# KiCad board FPGA_DevBoard.kicad_pcb (continued)
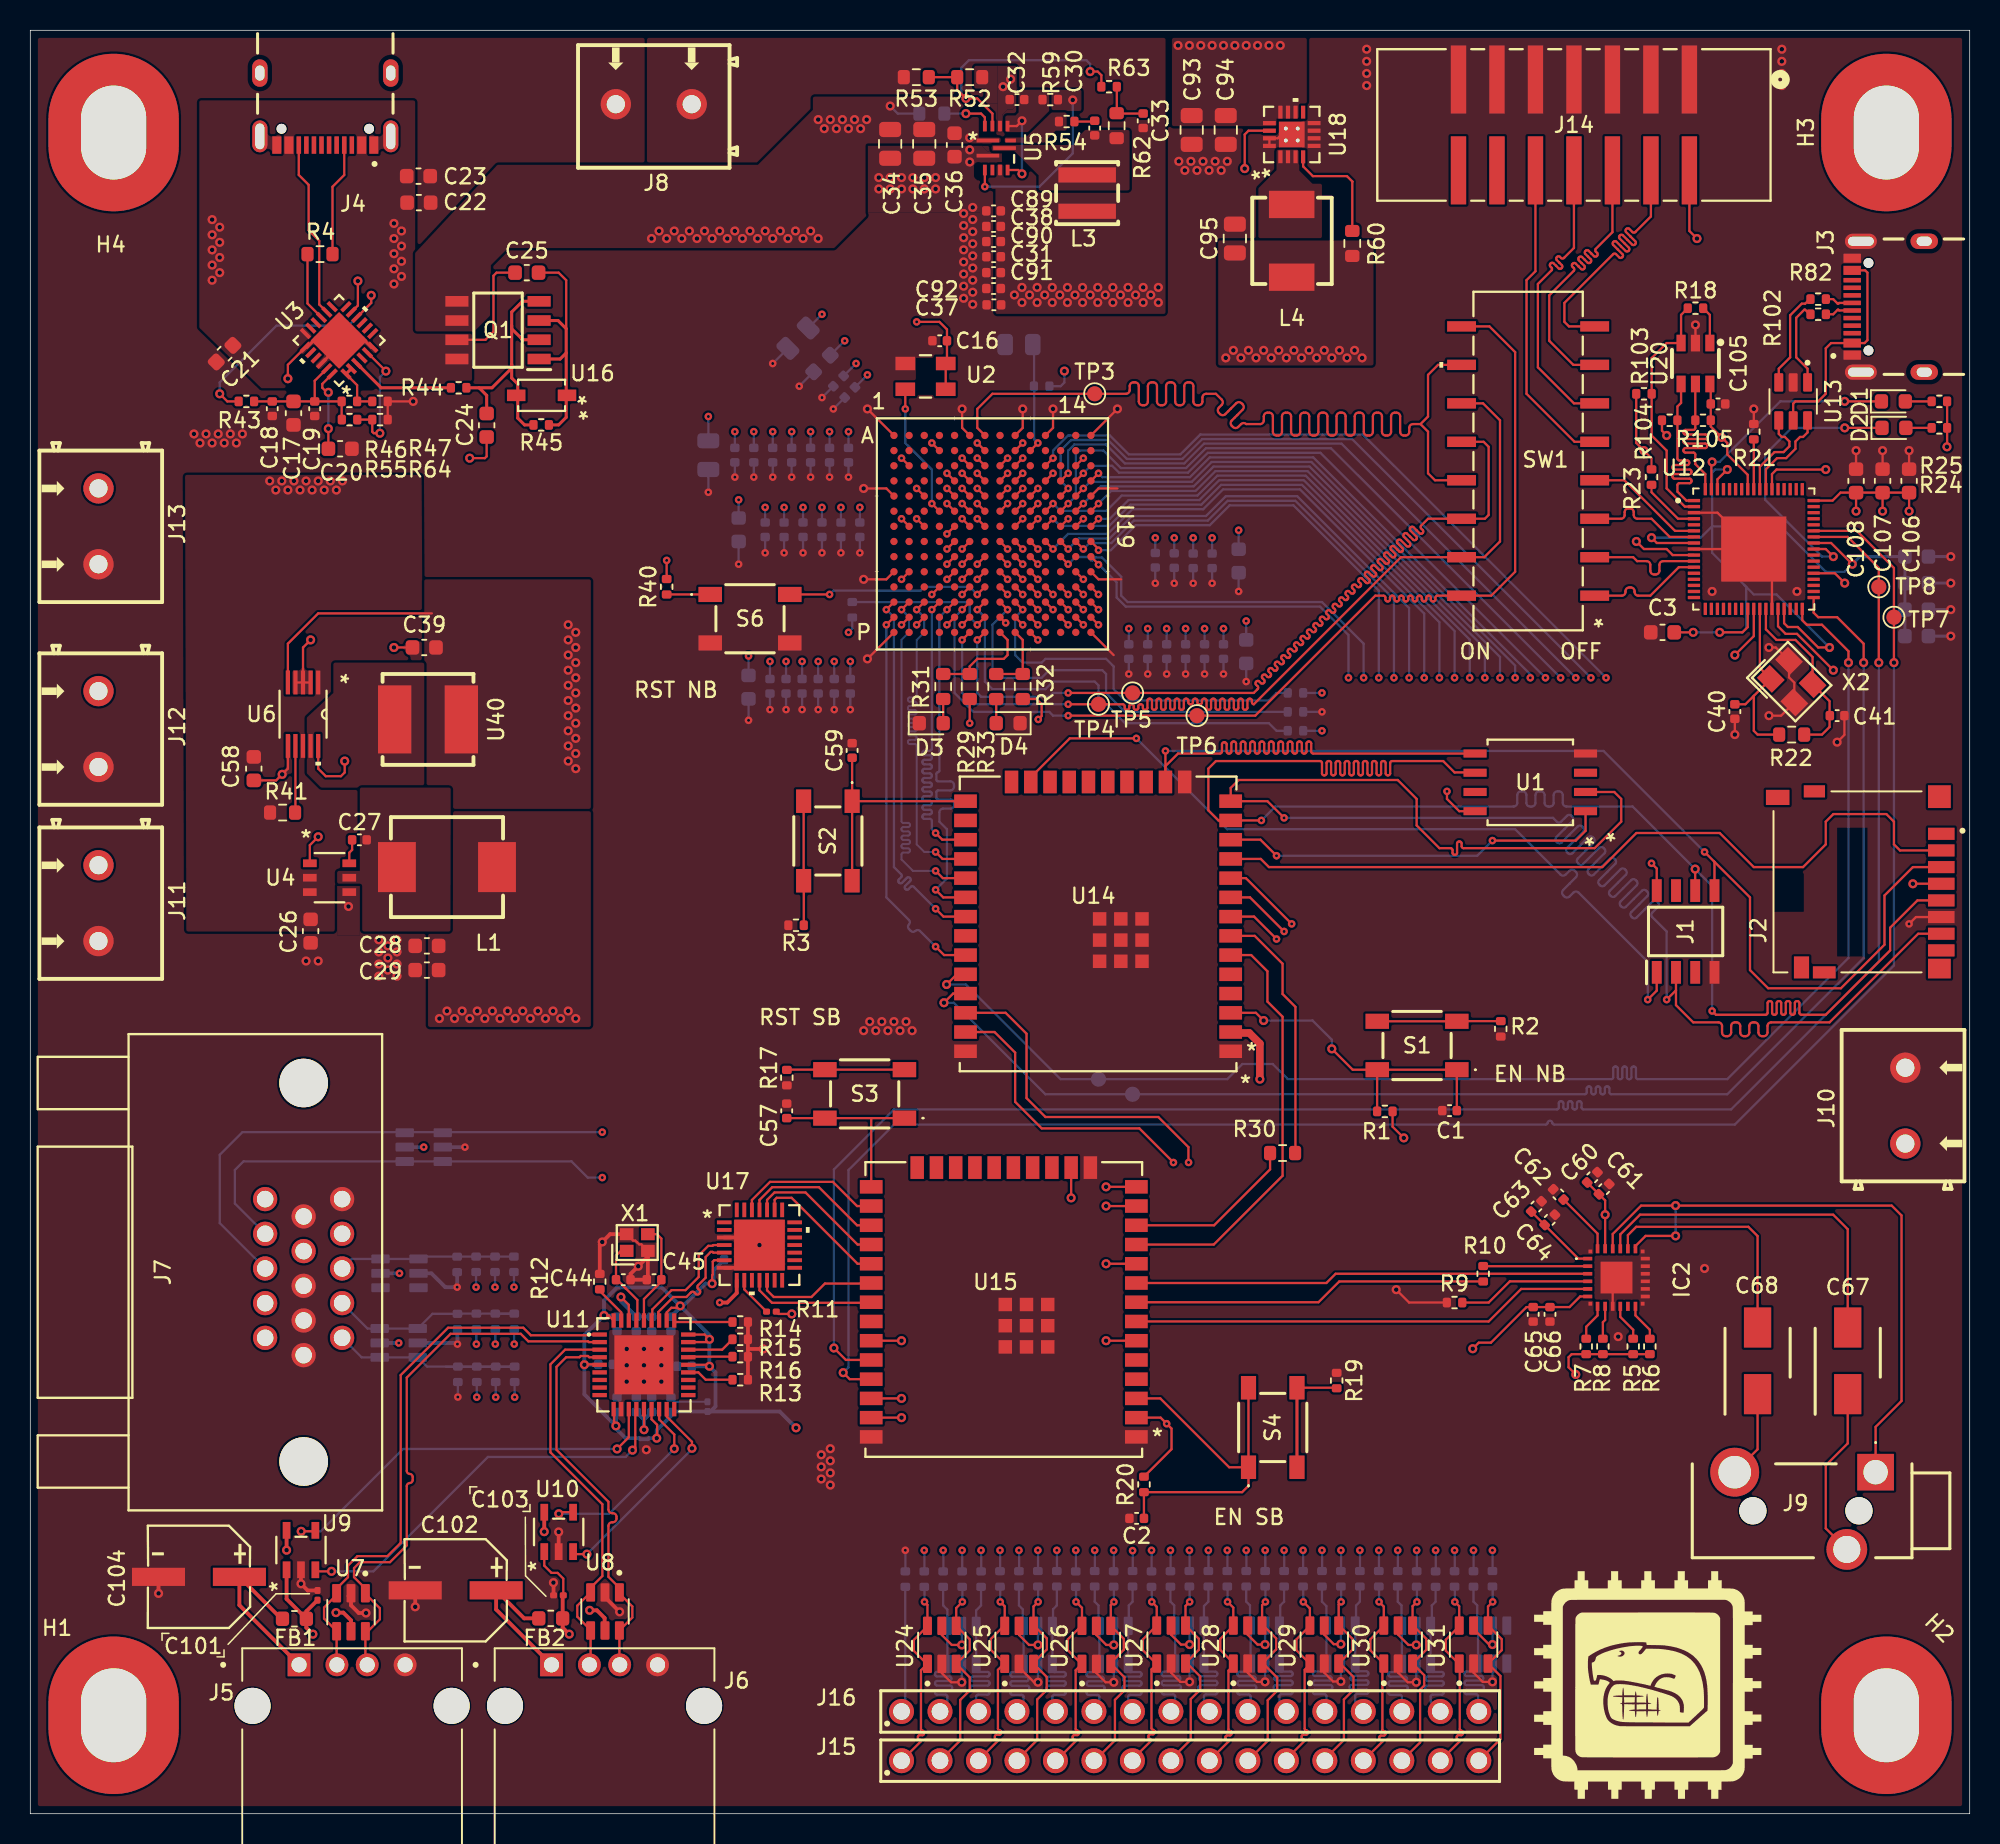
[diagram p0: board, top side]
## Routing (per net, layer and track width the routed paths; a pad name or vN(x,y) marks a point on that pad's centre or on a via; arc(x,y) is an arc through that point) (continued)
R2: length 98.9
  Top signal w0.15: U19.L12 v1(68.5,80.5)
  Top PWR w0.15: v1(68.5,80.5) 69.02,79.98 70.7,79.98 71.5,79.17 71.5,75.5 71.66,75.34 71.66,71.67 72.69,70.63 72.69,69.22 arc(72.74,69.11) 72.85,69.06 72.93,69.06 arc(73.04,69.02) 73.09,68.9 73.09,68.82 arc(73.04,68.71) 72.93,68.66 72.45,68.66 arc(72.34,68.62) 72.29,68.5 72.29,68.42 arc(72.34,68.31) 72.45,68.26 72.93,68.26 arc(73.04,68.22) 73.09,68.1 73.09,68.02 arc(73.04,67.91) 72.93,67.86 72.45,67.86 arc(72.34,67.82) 72.29,67.7 72.29,67.62 arc(72.34,67.51) 72.45,67.46 72.93,67.46 arc(73.04,67.42) 73.09,67.3 73.09,67.22 arc(73.04,67.11) 72.93,67.06 72.45,67.06 arc(72.34,67.02) 72.29,66.9 72.29,66.82 arc(72.34,66.71) 72.45,66.66 72.93,66.66 arc(73.04,66.62) 73.09,66.5 73.09,66.42 arc(73.04,66.31) 72.93,66.26 72.45,66.26 arc(72.34,66.22) 72.29,66.1 72.29,66.02 arc(72.34,65.91) 72.45,65.86 72.93,65.86 arc(73.04,65.82) 73.09,65.7 73.09,65.62 arc(73.04,65.51) 72.93,65.46 72.45,65.46 arc(72.34,65.42) 72.29,65.3 72.29,65.22 arc(72.34,65.11) 72.45,65.06 72.93,65.06 arc(73.04,65.02) 73.09,64.9 73.09,64.82 arc(73.04,64.71) 72.93,64.66 72.45,64.66 arc(72.34,64.62) 72.29,64.5 72.29,64.42 arc(72.34,64.31) 72.45,64.26 72.93,64.26 arc(73.04,64.22) 73.09,64.1 73.09,64.02 arc(73.04,63.91) 72.93,63.86 72.45,63.86 arc(72.34,63.82) 72.29,63.7 72.29,63.62 arc(72.34,63.51) 72.45,63.46 72.53,63.46 arc(72.65,63.42) 72.69,63.3 72.69,49.87 63.82,41 37.33,41 35.94,39.61 35.94,31.48 v1(31.97,27.5)
  Bottom signal w0.15: R57.1 v1(31.97,27.5)
SB_USB_CTS/: length 8.9
  Top signal w0.15: U15.29 54.6,36.31 50.25,40.66 49.26,40.66 49.13,40.53 U17.23
SB_USB_RTS/: length 9.2
  Top signal w0.15: U15.28 54.6,37.58 51.16,41.02 49.11,41.02 48.62,40.53 U17.24
SB_USB_RXD: length 9.4
  Top signal w0.15: U17.25 48.12,40.52 48.97,41.37 52.05,41.37 54.57,38.85 U15.27
SB_USB_TXD: length 9.7
  Top signal w0.15: U15.26 54.57,40.12 52.97,41.72 48.82,41.72 47.63,40.52 U17.26
SB_USB_UART_SUSPEND: length 8.1
  Top signal w0.15: U15.30 55.46,35 52.44,35 51.55,34.11 49.07,34.11 48.62,34.56 U17.12
SB_USB_UART_SUSPEND/: length 8.4
  Top signal w0.15: U17.11 48.12,34.56 48.95,33.73 55.46,33.73 U15.31
SBRXD: length 123
  Top signal w0.15: v2(53.04,30.75) 53.83,29.96 U15.34 ; U12.45 119.95,84.3 122,82.25 v2(122,76)
  Bottom signal w0.15: v2(53.04,30.75) 53.04,42.54 57,46.5 100.76,46.5 arc(100.85,46.54) 100.88,46.62 100.88,46.92 arc(100.92,47.01) 101,47.04 101.06,47.04 arc(101.15,47.01) 101.18,46.92 101.18,46.62 arc(101.22,46.54) 101.3,46.5 101.36,46.5 arc(101.45,46.54) 101.48,46.62 101.48,46.92 arc(101.52,47.01) 101.6,47.04 101.66,47.04 arc(101.75,47.01) 101.78,46.92 101.78,46.62 arc(101.82,46.54) 101.9,46.5 101.96,46.5 arc(102.05,46.54) 102.08,46.62 102.08,46.92 arc(102.12,47.01) 102.2,47.04 102.26,47.04 arc(102.35,47.01) 102.38,46.92 102.38,46.62 arc(102.42,46.54) 102.5,46.5 112.25,46.5 122,56.25 v2(122,76)
SBTXD: length 123
  Top signal w0.15: v2(53.65,29.12) 54.08,28.69 U15.35 ; v2(123,76) 123,82.25 120.55,84.7 U12.46
  Bottom signal w0.15: v2(123,76) 123,56 112.5,45.5 100.57,45.5 arc(100.48,45.54) 100.45,45.62 100.45,45.62 arc(100.41,45.71) 100.33,45.74 100.27,45.74 arc(100.18,45.71) 100.15,45.62 100.15,45.62 arc(100.11,45.54) 100.03,45.5 57,45.5 54,42.5 54,29.47 v2(53.65,29.12)
VSPI_CLK: length 26
  Top signal w0.15: U14.29 60.23,61.77 v1(59.75,62.25) ; U19.M2 v1(57.5,79.5)
  Bottom signal w0.13: 58,79 58,78 57.5,77.5 57.5,65.53 arc(57.53,65.45) 57.61,65.42 57.94,65.42 arc(58.02,65.39) 58.05,65.31 58.05,65.25 arc(58.02,65.17) 57.94,65.14 57.61,65.14 arc(57.53,65.11) 57.5,65.03 57.5,64.97 arc(57.53,64.89) 57.61,64.86 57.94,64.86 arc(58.02,64.83) 58.05,64.75 58.05,64.69 arc(58.02,64.61) 57.94,64.58 57.61,64.58 arc(57.53,64.55) 57.5,64.47 57.5,64.41 arc(57.53,64.33) 57.61,64.3 57.94,64.3 arc(58.02,64.27) 58.05,64.19 58.05,64.13 arc(58.02,64.05) 57.94,64.02 57.61,64.02 arc(57.53,63.99) 57.5,63.91 57.5,63.85 arc(57.53,63.77) 57.61,63.74 57.94,63.74 arc(58.02,63.71) 58.05,63.63 58.05,63.57 arc(58.02,63.49) 57.94,63.46 57.61,63.46 arc(57.53,63.43) 57.5,63.35 57.5,63 58.25,62.25 v1(59.75,62.25)
  Bottom signal w0.15: 58,79 v1(57.5,79.5)
VSPI_CS: length 26.1
  Top signal w0.15: U14.30 60.25,60.5 v1(59.75,61) ; U19.M5 v1(60.5,79.5)
  Bottom signal w0.15: v1(60.5,79.5) 60,79 60,68.86 arc(59.97,68.79) 59.9,68.76 arc(59.83,68.73) 59.8,68.66 59.8,68.26 arc(59.83,68.19) 59.9,68.16 60.72,68.16 arc(60.89,68.09) 60.96,67.92 60.96,67.8 arc(60.89,67.63) 60.72,67.56 59.9,67.56 arc(59.83,67.53) 59.8,67.46 59.8,67.06 arc(59.83,66.99) 59.9,66.96 60.74,66.96 arc(60.91,66.89) 60.98,66.72 60.98,66.6 arc(60.91,66.43) 60.74,66.36 60.24,66.36 arc(60.07,66.29) 60,66.12 60,65.5 60.5,65 60.5,61.75 v1(59.75,61)
VSPI_D0: length 26
  Top signal w0.15: U19.M3 v1(58.5,79.5) ; v1(59.75,63.5) 60.21,63.04 U14.28
  Bottom signal w0.13: 59,79 59,78 58.5,77.5 58.5,73.82 arc(58.47,73.74) 58.39,73.7 58.04,73.7 arc(57.96,73.67) 57.92,73.59 57.92,73.54 arc(57.96,73.46) 58.04,73.42 58.39,73.42 arc(58.47,73.39) 58.5,73.31 58.5,73.26 arc(58.47,73.18) 58.39,73.14 58.04,73.14 arc(57.96,73.11) 57.92,73.03 57.92,72.98 arc(57.96,72.9) 58.04,72.86 58.39,72.86 arc(58.47,72.83) 58.5,72.75 58.5,72.7 arc(58.47,72.62) 58.39,72.58 58.04,72.58 arc(57.96,72.55) 57.92,72.47 57.92,72.42 arc(57.96,72.34) 58.04,72.3 58.39,72.3 arc(58.47,72.27) 58.5,72.19 58.5,72.14 arc(58.47,72.06) 58.39,72.02 58.04,72.02 arc(57.96,71.99) 57.92,71.91 57.92,71.86 arc(57.96,71.78) 58.04,71.74 58.39,71.74 arc(58.47,71.71) 58.5,71.63 58.5,71.58 arc(58.47,71.5) 58.39,71.46 58.04,71.46 arc(57.96,71.43) 57.92,71.35 57.92,71.3 arc(57.96,71.22) 58.04,71.18 58.39,71.18 arc(58.47,71.15) 58.5,71.07 58.5,71.02 arc(58.47,70.94) 58.39,70.9 58.04,70.9 arc(57.96,70.87) 57.92,70.79 57.92,70.74 arc(57.96,70.66) 58.04,70.62 58.39,70.62 arc(58.47,70.59) 58.5,70.51 58.5,64 59,63.5 v1(59.75,63.5)
  Bottom signal w0.15: 59,79 v1(58.5,79.5)
VSPI_D1: length 26
  Top signal w0.15: v1(59.75,59.75) 60.27,59.23 U14.31 ; U19.M1 v1(56.5,79.5)
  Bottom signal w0.15: v1(59.75,59.75) 58.29,61.21 arc(58.21,61.24) 58.12,61.21 57.95,61.03 arc(57.86,61) 57.78,61.03 57.74,61.08 arc(57.7,61.16) 57.74,61.25 58.08,61.59 arc(58.11,61.67) 58.08,61.75 58.03,61.8 arc(57.95,61.83) 57.87,61.8 57.53,61.46 arc(57.44,61.42) 57.36,61.46 57.31,61.5 arc(57.28,61.59) 57.31,61.67 57.49,61.84 arc(57.52,61.93) 57.49,62.01 57,62.5 57,79 v1(56.5,79.5)
VSPI_D2: length 26
  Top signal w0.15: U19.N1 v1(56.5,78.5) ; U14.33 60.31,56.69 v1(59.75,57.25)
  Bottom signal w0.15: v1(56.5,78.5) 56.5,60.5 57.99,59.01 arc(58.05,58.86) 57.99,58.71 arc(57.93,58.56) 57.99,58.41 58.12,58.29 arc(58.27,58.22) 58.42,58.29 arc(58.56,58.35) 58.71,58.29 v1(59.75,57.25)
VSPI_D3: length 26
  Top signal w0.15: U14.27 60.19,64.31 v1(59.75,64.75) ; U19.M4 v1(59.5,79.5)
  Bottom signal w0.15: v1(59.5,79.5) 59.5,70.3 arc(59.46,70.22) 59.38,70.18 59,70.18 arc(58.91,70.15) 58.88,70.06 58.88,70 arc(58.91,69.92) 59,69.88 59.38,69.88 arc(59.46,69.85) 59.5,69.76 59.5,69.7 arc(59.46,69.62) 59.38,69.58 59,69.58 arc(58.91,69.55) 58.88,69.46 58.88,69.4 arc(58.91,69.32) 59,69.28 59.38,69.28 arc(59.46,69.25) 59.5,69.16 59.5,69.1 arc(59.46,69.02) 59.38,68.98 59,68.98 arc(58.91,68.95) 58.88,68.86 58.88,68.8 arc(58.91,68.72) 59,68.68 59.38,68.68 arc(59.46,68.65) 59.5,68.56 59.5,68.5 arc(59.46,68.42) 59.38,68.38 59,68.38 arc(58.91,68.35) 58.88,68.26 58.88,68.2 arc(58.91,68.12) 59,68.08 59.38,68.08 arc(59.46,68.05) 59.5,67.96 59.5,67.9 arc(59.46,67.82) 59.38,67.78 59,67.78 arc(58.91,67.75) 58.88,67.66 58.88,67.6 arc(58.91,67.52) 59,67.48 59.38,67.48 arc(59.46,67.45) 59.5,67.36 59.5,67.3 arc(59.46,67.22) 59.38,67.18 59,67.18 arc(58.91,67.15) 58.88,67.06 58.88,67 arc(58.91,66.92) 59,66.88 59.38,66.88 arc(59.46,66.85) 59.5,66.76 59.5,66.7 arc(59.46,66.62) 59.38,66.58 59,66.58 arc(58.91,66.55) 58.88,66.46 58.88,66.4 arc(58.91,66.32) 59,66.28 59.38,66.28 arc(59.46,66.25) 59.5,66.16 59.5,66.1 arc(59.46,66.02) 59.38,65.98 59,65.98 arc(58.91,65.95) 58.88,65.86 58.88,65.8 arc(58.91,65.72) 59,65.68 59.38,65.68 arc(59.46,65.65) 59.5,65.56 59.5,65 v1(59.75,64.75)
Net-(C30-Pad1): length 1.4
  Top signal w0.15: R54.2 70.2,111.72 C30.1
Net-(C33-Pad2): length 3.5
  Top signal w0.15: R63.2 71.71,112.53 71.7,112.53 R62.2 71.72,112.25 73.45,112.25
Net-(C67-+): length 11.4
  Top signal w0.15: C67.1 119.95,24.45 118.5,23 118.5,18.84 J9.5
Net-(C68-+): length 5.8
  Top signal w0.15: C68.1 114,24.06 J9.2
Net-(D1-A): length 1.7
  Top signal w0.15: D1.2 R25.2
Net-(D1-K): length 14.7
  Top signal w0.15: v2(111,89.25) 110.95,89.2 U12.67 ; v2(119.75,93.25) D1.1
  Bottom signal w0.15: v2(119.75,93.25) 115.5,93.25 111.5,89.25 v2(111,89.25)
Net-(D2-A): length 1.7
  Top signal w0.15: D2.2 R24.2
Net-(D2-K): length 19
  Top signal w0.15: U12.43 118.5,83.5 v2(119,83) ; v2(119.75,91.5) D2.1
  Bottom signal w0.15: v2(119,83) 118.25,83 114.5,86.75 114.5,89.75 116.25,91.5 v2(119.75,91.5)
Net-(D3-A): length 1.6
  Top signal w0.15: D3.2 R31.2
Net-(D4-A): length 1.6
  Top signal w0.15: D4.2 R33.2
Net-(IC2-DREG): length 5
  Top signal w0.15: C63.1 C64.1 102.17,36.65 IC2.1
Net-(IC2-MD1): length 2.5
  Top signal w0.15: R7.2 102.69,32.15 103.44,32.9 IC2.7
Net-(IC2-MD2): length 2.2
  Top signal w0.15: IC2.8 103.94,32.6 103.79,32.45 R8.2
Net-(IC2-MD4): length 2.5
  Top signal w0.15: R5.2 105.79,31.95 104.94,32.8 IC2.10
Net-(IC2-MD5): length 2.5
  Top signal w0.15: R6.2 106.89,31.95 105.94,32.9 IC2.12
Net-(IC2-MD6): length 8.9
  Top signal w0.15: R9.2 96.25,33.75 97.65,35.15 IC2.4
Net-(IC2-VREF): length 4.2
  Top signal w0.15: C62.1 103.44,38.3 IC2.24
Net-(J16-Pad1): length 8.3
  Bottom signal w0.15: R86.2 57.75,7 J16.1
Net-(Q1-G1): length 18.4
  Top signal w0.2: 31.77,95.7 31.77,95.45 30.47,94.15 29.62,94.15 ; 31.77,95.7 31.77,98.25 ; 31.77,95.7 31.77,94.8 32.17,94.4 32.17,92.15 32.62,91.7 33.11,91.7 ; 29.62,94.15 R44.1 ; 29.62,94.15 30.12,93.65 C24.2 ; 31.77,98.25 31.77,99.15 32.48,99.86 33.57,99.86 ; 31.77,98.25 31.77,98.05 32.5,97.32 33.57,97.32
Net-(Q1-S1): length 16.5
  Top signal w0.15: C25.2 34.87,101.75 35.37,101.25 35.37,98.05
  Top signal w0.2: 33.57,96.05 34.97,96.05 35.37,96.45 ; 33.57,98.59 34.83,98.59 35.37,98.05 35.37,96.45 ; 35.37,96.45 35.37,92.2 34.87,91.7 34.13,91.7
Net-(S1-COM_1): length 8.2
  Top signal w0.15: S1.4 S1.3 94.16,52.33 R2.2
Net-(S2-COM_1): length 8.2
  Top signal w0.15: S2.3 S2.4 51.05,61.59 R3.1
Net-(S3-COM_1): length 7.8
  Top signal w0.15: 49.92,49.13 S3.4 S3.3
Net-(S4-COM_1): length 7.9
  Top signal w0.15: 86.24,28.12 S4.4
  Top signal w0.2: S4.4 83.6,22.87
Net-(S6-NO_1): length 2.9
  Top signal w0.15: S6.1 R40.2
Net-(S6-NO_2): length 13.5
  Top signal w0.15: v1(52.75,80.5) S6.2 ; U19.L7 v1(62.5,80.5)
  Bottom signal w0.15: v1(52.75,80.5) 53,80.75 58.75,80.75 59,81 62,81 v1(62.5,80.5)
Net-(U3-CC1): length 4.6
  Top signal w0.15: 18.3,102.97 18.3,99.72 U3.15
Net-(U3-FLIP): length 16.7
  Top signal w0.15: U3.10 22.5,99.75 v2(22.5,100.25) ; v2(12.5,93.75) 13,93.25 R43.2
  Bottom signal w0.15: v2(22.5,100.25) 22.5,99.75 21,98.25 16.25,98.25 12.5,94.5 v2(12.5,93.75)
Net-(U3-VBUS_FET_EN): length 6.9
  Top signal w0.2: R44.2 23.16,94.15 U3.3
Net-(U3-VCCD): length 5.3
  Top signal w0.15: v2(19.67,93.85) 19.57,93.85 19.27,94.15 19.27,94.4 U3.24 ; v2(19.67,91.45) 19.67,90.25
  Bottom signal w0.15: v2(19.67,91.45) v2(19.67,93.85)
Net-(U4-BST): length 1.6
  Top signal w0.15: U4.6 21.05,63.45 21.24,63.64 C27.1
Net-(U5-EN): length 3.4
  Top signal w0.15: 63,111.42 63,112 62.75,112.25 v2(61.75,112.25)
  Bottom signal w0.15: R51.1 v2(61.75,112.25)
Net-(U5-FB): length 19.6
  Top signal w0.15: 63.5,111.42 63.5,112.25 62.5,113.25 v2(61.75,113.25) 61.17,113.83 R52.2 ; 61.22,114.66 R53.1 ; v2(69.95,115.03) 70.45,115.03 70.69,114.78 R63.1
  Bottom signal w0.15: v2(61.75,113.25) 61.45,113.55 61.45,115.28 61.95,115.78 69.7,115.78 69.95,115.53 v2(69.95,115.03)
Net-(U5-MODE): length 5.6
  Top signal w0.15: U5.6 65.2,108.53 v2(65.45,108.28) ; v2(65.45,111.78) 65.1,111.42 64.5,111.42
  Bottom signal w0.15: v2(65.45,111.78) v2(65.45,108.28)
Net-(U5-PG): length 11.3
  Top signal w0.15: v1(63,107.42) U5.3
  Bottom signal w0.15: v1(63,107.42) 66.6,107.42 68.8,109.62 v2(68.8,113.15)
Net-(U12-EECLK): length 14.5
  Top signal w0.15: U20.4 108.95,93.15 108.71,92.91 R104.2 108.71,89.47 arc(108.75,89.38) 108.83,89.35 109.37,89.35 arc(109.45,89.31) 109.49,89.23 109.49,89.17 arc(109.45,89.08) 109.37,89.05 108.5,89.05 arc(108.42,89.01) 108.38,88.93 108.38,88.87 arc(108.42,88.78) 108.5,88.75 109.52,88.75 arc(109.6,88.71) 109.64,88.63 109.64,88.57 arc(109.6,88.48) 109.52,88.45 108.5,88.45 arc(108.42,88.41) 108.38,88.33 108.38,88.27 arc(108.42,88.18) 108.5,88.15 109.52,88.15 arc(109.6,88.11) 109.64,88.03 109.64,87.97 arc(109.6,87.88) 109.52,87.85 108.83,87.85 arc(108.75,87.81) 108.71,87.73 108.71,87.29 109.3,86.7 U12.1
Net-(U12-EECS): length 14.4
  Top signal w0.15: U12.68 110.55,88.45 109.89,89.11 109.89,89.75 arc(109.85,89.83) 109.77,89.87 109.23,89.87 arc(109.15,89.9) 109.11,89.99 109.11,90.05 arc(109.15,90.13) 109.23,90.17 110.55,90.17 arc(110.63,90.2) 110.67,90.29 110.67,90.35 arc(110.63,90.43) 110.55,90.47 109.23,90.47 arc(109.15,90.5) 109.11,90.59 109.11,90.65 arc(109.15,90.73) 109.23,90.77 110.55,90.77 arc(110.63,90.8) 110.67,90.89 110.67,90.95 arc(110.63,91.03) 110.55,91.07 109.23,91.07 arc(109.15,91.1) 109.11,91.19 109.11,91.25 arc(109.15,91.33) 109.23,91.37 109.77,91.37 arc(109.85,91.4) 109.89,91.49 R105.2 109.89,94.39 U20.5
Net-(U12-EEDATA): length 16.2
  Top signal w0.15: R18.1 108.95,98.96 U20.3 108,97.1 107.01,96.11 R103.2 107.01,91.01 107,91 108,90 108,87.5 109.2,86.3 U12.2
Net-(U12-REF): length 3.3
  Top signal w0.15: U12.60 R21.1
Net-(U12-~{RESET}): length 4
  Top signal w0.13: R23.1 107,87.25
  Top signal w0.15: U12.4 108.75,85.5 107,87.25
Net-(U15-IO27): length 11.7
  Top signal w0.15: 81.83,43.87 81.83,42.55 78.13,38.85 U15.12
Net-(U15-IO32): length 23.5
  Top signal w0.15: U15.8 85.02,33.77 86.39,35.14 R10.2
Net-(U17-*RST): length 2.7
  Top signal w0.15: U17.9 47.12,34.62 R11.1
Net-(U18-PG): length 7.6
  Top signal w0.15: R60.2 87.25,107.75 87.26,107.76 86.9,108.12 84.65,108.12 84.01,108.76 U18.4
Net-(U19B-CFGBVS_0): length 10
  Top signal w0.15: U19.N7 v1(62.5,78.5)
  Bottom signal w0.15: R39.1 61.75,80 62,79.75 62,79 v1(62.5,78.5)
Net-(U19B-DONE_0): length 4.7
  Top signal w0.15: U19.P9 65.5,77.5 R32.2 R33.1
Net-(U19B-INIT_B_0): length 6.8
  Top signal w0.15: R31.1 R29.2 62,75.75 62.5,76.25 64.25,76.25 64.5,76.5 64.5,77.5 U19.P8
Net-(U19B-IO_L3P_T0_DQS_PUDC_B_14): length 7.3
  Top signal w0.15: U19.B10 v1(66.5,90.5)
  Bottom signal w0.15: v1(66.5,90.5) 66.26,90.74 66.26,94.25 66.25,94.26 66.25,96.91 R66.1
Net-(U19B-M0_0): length 27.9
  Top signal w0.15: U19.M7 v1(62.5,79.5)
  Bottom signal w0.15: v1(62.5,79.5) 63,79 63,74.75 63.5,74.25 67,74.25 67.5,74.75 70.25,74.75 70.5,74.5 70.5,73.75 72.25,72 81.75,72 82.25,71.5 R38.1
Net-(U19B-M1_0): length 26.9
  Top signal w0.15: U19.M8 v1(64.5,79.5)
  Bottom signal w0.15: v1(64.5,79.5) 63.5,78.5 63.5,75.5 64,75 66.75,75 67.25,75.5 70.75,75.5 71,75.25 71,74 72.25,72.75 R37.1
Net-(U19B-M2_0): length 24.4
  Top signal w0.15: U19.M9 v1(65.5,79.5)
  Bottom signal w0.15: v1(65.5,79.5) 65,79 65,76.5 65.5,76 66.75,76 67,76.25 71,76.25 71.5,75.75 71.5,74.25 72.25,73.5 81.75,73.5 82.25,74 83,74
Net-(U20-DO): length 2.5
  Top signal w0.15: U20.1 110.85,98.96 R18.2

## Copper pours and planes (outline as drawn; the poured copper is in the pictures)
9V0 on Top signal: 75.35,117.67 75.35,111.42 82.25,111.42 82.25,111.92 84.25,111.92 84.25,117.67
9V0 on Top signal: 25.83,88.4 10.21,88.4 10.3,58.25 25.99,58.25
9V0 on Top signal: 64.05,110.27 64.05,110.67 62.6,110.67 62.6,113.37 51.65,113.37 51.65,112.5 48.03,108.87 30.83,108.87 25.4,103.05 25.4,97.87 29.31,97.87 30.4,98.96 30.4,102.25 31.53,103.37 53.06,103.37 55.25,105.56 55.25,110.19 61.9,110.19 61.9,110.27
9V0 on Top PWR: -23,85.5 26.5,85.5 31,89.25 31,103 91,103 91,127 -23,127
+1V0 on Top signal: 63.7,107.28 63.7,99.03 74.92,99.03 74.92,117.78 40.7,117.78 40.7,107.28
+1V0 on Top PWR: -2,76 71.5,76 71.5,72.5 128,72.5 128,122.5 -2,122.5
+1V0 on Bottom PWR: 59,80 67,80 67,99 75.5,99 75.5,103 59,103
+1V8 on Top signal: 26,66.35 37,66.35 37,81.5 26,81.5
+1V8 on Top PWR: -0.5,65.5 -0.5,79.5 44.2,79.5 49.6,84 55.9,84 55.9,94 85.2,94 85.2,75 47.52,75 38.36,66.64 38.36,65.5
+3V3 on Top signal: 88.65,103.87 78.4,103.87 78.4,95.62 88.65,95.62
+3V3 on Bottom PWR: 0,117.75 128,117.75 128,0 0,0
+5V on Top signal: 26.25,66.35 37,66.35 37,51.95 26.25,51.95
+5V on Top PWR: -0.5,-0.5 47.5,-0.5 47.5,65.5 -0.5,65.5
/Power/VBUS_IN on Top signal: 11.15,113.12 25.4,113.12 25.4,97.87 29.15,97.87 29.15,94.12 15.25,94.12 11.15,98.12
/Power/VBUS_IN on Bottom PWR: 11.25,108.75 25.5,108.75 25.5,94.75 11.25,94.75
GND on Top signal: 21.75,61.25 20.25,61.25 20.25,58 21.75,58
GND on Top signal: 63.85,111.03 64.15,111.03 64.15,112.17 64.5,112.53 64.84,112.53 65.1,112.79 65.1,115.41 63.85,115.41
GND on Top signal: 64.05,112.91 64.05,115.41 62.3,115.41 62.3,113.91 63.05,113.91 63.05,112.91
GND on Top signal: 63.18,109.75 64.13,109.75 64.13,109.05 62.28,109.05 62.28,108.05 62.53,107.8 62.68,107.8 62.68,105.7 55.28,105.7 55.28,110.12 62.81,110.12
GND on Top signal: 152.31,180.73 137.51,-37.76 -19.24,-43.01 -14.36,181.5
GND on Bottom signal: 143,128.5 -7.25,127.75 -8.25,-13.25 141.75,-11.75
GND on Bottom signal: 38.22,32.08 38.22,27.26 42.79,27.26 42.79,32.08
GND on Top GND: -21,127.5 138.38,127.5 138.38,-0.5 -21,-0.5
GND on Bottom GND: 102.06,131.39 -26.84,132.53 -33.32,-4.12 140.71,-3.65 135.68,140.7 103.08,131.39 102.95,131.9
Net-(L4-Pad2) on Top signal: 83.75,109.92 82.25,109.92 82.25,108.52 81.05,107.32 81.05,103.72 85.25,103.72 85.25,107.62 84.62,107.62 83.75,108.5
Net-(U4-SW) on Top signal: 20.25,62.25 20.25,61.25 21.75,61.25 21.75,58.25 27.73,58.25 27.75,67.75 21.75,67.75 21.75,62.25
Net-(U5-BST) on Top signal: 64.3,110.67 64.3,110.33 67,110.33 67,110.45 67.67,111.12 68.4,111.12 68.4,112.33 67.4,112.33 65.7,110.67
Net-(U5-MODE) on Top signal: 64.35,111.03 65.85,111.03 67.25,112.42 67.25,113.83 65.22,113.83 65.22,112.33 65.03,112.12 64.35,112.12
Net-(U5-PG) on Top signal: 67.4,113.83 67.4,112.42 69.38,112.42 69.38,113.83
Net-(U5-SW) on Top signal: 63.45,110.17 63.45,109.78 64.95,109.78 66.55,108.17 66.55,107.17 72.55,107.17 72.55,111.17 69.62,111.17 68.95,110.5 68.95,110.26 68.87,110.17
Net-(U6-SW) on Top signal: 18.25,68.69 19.19,67.75 26,67.75 26,76 20,76 20,74 18.25,72.38

## Text on the board
B.Silkscreen: Donovan Burk / Damian Amerman-Smith / Joseph Yost / Maxwell Voss | {dblquote}No Copyright Law in the / Universe / is going to stop me.{dblquote} / - Sonic the Hedgehog | ECE 44X TEAM 9 2025-2026 / Instructor: Ingrid Scheel | {dblquote}This is what infinite budget looks like{dblquote} - Zander | {dblquote}Our rocks can do really cool math{dblquote}
F.Silkscreen: RST NB | RST SB | EN SB | EN NB | U19
